# Altium PCB AMC_Box_Mainboard.PcbDoc (part 1 of 8) (continued)
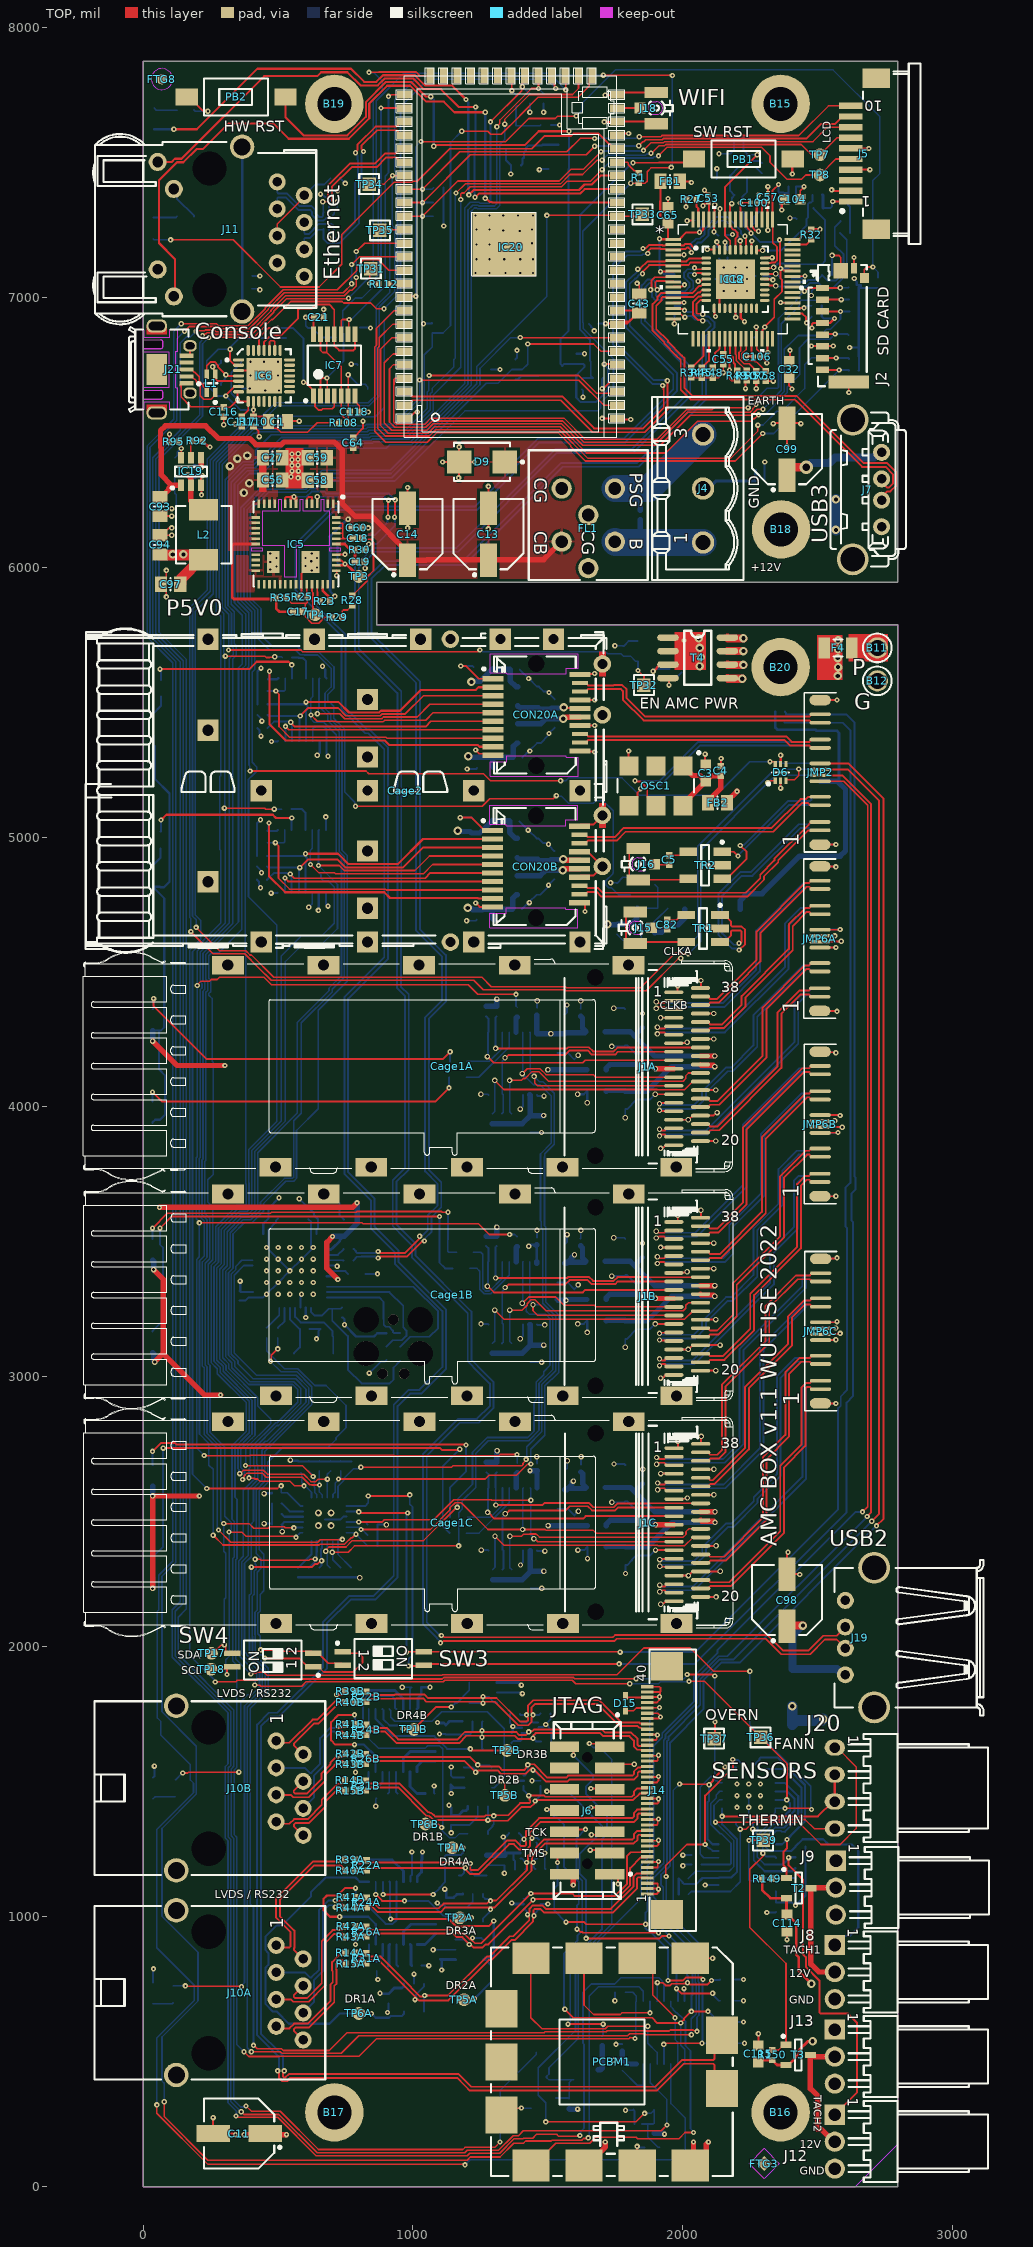
[diagram p0: TOP view]
## Classes and differential pairs
channel class QSFP: U_QSFP0 U_QSFP1 U_QSFP2
net class QSFP: RX1A_N RX1A_P RX1B_N RX1B_P RX1C_N RX1C_P RX2A_N RX2A_P RX2B_N RX2B_P RX2C_N RX2C_P RX3A_N RX3A_P RX3B_N RX3B_P RX3C_N RX3C_P RX4A_N RX4A_P RX4B_N RX4B_P RX4C_N RX4C_P TX1A_N TX1A_P TX1B_N TX1B_P TX1C_N TX1C_P TX2A_N TX2A_P TX2B_N TX2B_P TX2C_N TX2C_P TX3A_N TX3A_P TX3B_N TX3B_P TX3C_N TX3C_P TX4A_N TX4A_P TX4B_N TX4B_P TX4C_N TX4C_P
component class U_QSFP2: C15C C16C C25C C33C C34C C35C C36C C37C C38C C39C C40C C41C Cage1C FB3C FB4C FB7C IC14C J1C JMP5C JMP6C LD6C LD7C R6C R7C R10C R12C R74C R80C R86C R87C
component class U_QSFP1: C15B C16B C25B C33B C34B C35B C36B C37B C38B C39B C40B C41B Cage1B FB3B FB4B FB7B IC14B J1B JMP5B JMP6B LD6B LD7B R6B R7B R10B R12B R74B R80B R86B R87B
component class U_QSFP0: C15A C16A C25A C33A C34A C35A C36A C37A C38A C39A C40A C41A Cage1A FB3A FB4A FB7A IC14A J1A JMP5A JMP6A LD6A LD7A R6A R7A R10A R12A R74A R80A R86A R87A
component class U_USB_UART: C1 C21 C116 C117 C118 D1 D10 D11 D21 IC6 IC7 J21 L1 R108 R110
component class U_USB_I2C_Bridge: C2 C10 C12 C28 C42 C44 C61 IC21 J17 LD4 LD5 Q2 R13 R72 R76 R78 R79 R85 R107
component class U_USB_Hub_AMCbox: C22 C23 C26 C31 C32 C53 C55 C57 C65 C66 C68 C78 C79 C80 C100 C101 C102 C103 C104 C105 C106 C107 C108 C109 C110 FB1 IC8 IC12 Q1 R27 R32 R34 R45 R48 R49 R50 R57 R58 R66 R67 R75 R77 R96 R97 R98 R99 R100 R101 R102 R103 R104
component class U_JTAG_AMC_Box: C81 C83 C98 C99 D12 D13 D14 D15 D16 D17 D18 D19 D20 F1 F2 IC17 J6 J7 J19 PCBM1 R68 R69 R70 R71 R88 T1
channel class IO: U_IO1 U_IO2
component class U_IO1: C6A C7A C8A C9A C67A C70A C71A C72A C88A D3A D4A IC2A IC4A IC10A IC11A IC13A J10A R14A R15A R16A R17A R18A R19A R20A R21A R22A R24A R26A R31A R39A R40A R41A R42A R43A R44A R81A R82A R83A R84A TP1A TP2A TP5A TP6A
component class U_LCD: J5 TP7 TP8
component class U_I2C_SW: C175 IC16 R184 R185 R186 R187 R188 R189 R190 R191 R194 R195 R196 R197 R198 R199 R200 R201 R202 R203 R204 R205 SW3
net class I2C: I2CA.SCL I2CA.SDA I2CB.SCL I2CB.SDA I2CC.SCL I2CC.SDA I2CD.SCL I2CD.SDA I2CE.SCL I2CE.SDA I2CF.SCL I2CF.SDA I2CG.SCL I2CG.SDA I2CH.SCL I2CH.SDA SCL SDA
component class U_IO2: C6B C7B C8B C9B C67B C70B C71B C72B C88B D3B D4B IC2B IC4B IC10B IC11B IC13B J10B R14B R15B R16B R17B R18B R19B R20B R21B R22B R24B R26B R31B R39B R40B R41B R42B R43B R44B R81B R82B R83B R84B TP1B TP2B TP5B TP6B
component class U_CPU: C20 C24 C43 C54 C69 D5 D6 D7 IC15 IC20 J2 J11 J18 LD2 LD3 PB1 PB2 R1 R2 R3 R4 R5 R9 R11 R33 R46 R47 R55 R56 R59 R60 R61 R62 R63 R64 R65 R73 R112 R113 R114 R115 T7 T9 TP17 TP18 TP31 TP32 TP33 TP34 TP35 TP36 TP37 TP39
component class U_SFP1: C45A C46A C47A C48A C49A C50A C51A C52A CON20A FB5A FB6A IC3A LD1A R8A R51A R52A R89A R90A R91A R93A
component class U_clocking: C3 C4 C5 C82 FB2 J15 J16 J? OSC1 TR1 TR2
component class AMC_Box_Mainboard: B11 B12 B? Cage2 CON12 CON28 FTG3 FTG4 FTG6 FTG8 J14 JMP2 JMP4
net class SFP: RXA_N RXA_P RXB_N RXB_P SFP1_TX0_N SFP1_TX0_P SFP2_TX1_N SFP2_TX1_P
channel class SFP: U_SFP1 U_SFP2 U_SFP3 U_SFP4 U_SFP5 U_SFP6
component class U_SFP2: C45B C46B C47B C48B C49B C50B C51B C52B CON20B FB5B FB6B IC3B LD1B R8B R51B R52B R89B R90B R91B R93B
net class AMC_CTRL: EN_AMC_MP EN_AMC_PWR
net class POWER: 12VE AMC_MP AMC_PWR P3V3 P12V P12V_1 P12V_2 QSFP_VCC1A QSFP_VCC1B QSFP_VCC1C QSFP_VCCRXA QSFP_VCCRXB QSFP_VCCRXC QSFP_VCCTXA QSFP_VCCTXB QSFP_VCCTXC SFP_VCCRA SFP_VCCRB SFP_VCCTA SFP_VCCTB
component class U_Supply: B15 B16 B17 B18 B19 B20 C11 C13 C14 C17 C18 C19 C27 C29 C30 C56 C58 C59 C60 C63 C64 C73 C92 C93 C94 C97 D9 F3 F4 FL1 IC5 IC19 J4 L2 R23 R25 R28 R29 R30 R35 R36 R37 R53 R54 R92 R94 R95 R105 R109 R111 T4 T5 T6 T8 TP3 TP4
net class DE: BA4_CLK_N RX1A_N RX1A_P RX1B_N RX1B_P RX1C_N RX1C_P RX2A_N RX2A_P RX2B_N RX2B_P RX2C_N RX2C_P RX3A_N RX3A_P RX3B_N RX3B_P RX3C_N RX3C_P RX4A_N RX4A_P RX4B_N RX4B_P RX4C_N RX4C_P RXA_N RXA_P RXB_N RXB_P SFP1_TX0_N SFP1_TX0_P SFP2_TX1_N SFP2_TX1_P TX1A_N TX1A_P TX1B_N TX1B_P TX1C_N TX1C_P TX2A_N TX2A_P TX2B_N TX2B_P TX2C_N TX2C_P TX3A_N TX3A_P TX3B_N TX3B_P TX3C_N TX3C_P TX4A_N TX4A_P TX4B_N TX4B_P TX4C_N TX4C_P
component class Thermal_MGT: C111 C112 C113 C114 C115 IC1 IC9 J8 J9 J12 J13 J20 R38 R147 R148 R149 R150 R152 R153 R154 T2 T3
net class FAN: DXN DXP1 DXP2 FANN OVERN PWM1 PWM2 TACH1 TACH2 THERMN
net class SW[2..0]: SW0 SW1 SW2
differential pair D: +D_P -D_N
differential pair CLK0: +CLK0_P -CLK0_N
differential pair USB0: +USB0_P -USB0_N
differential pair TX4C: +TX4C_P -TX4C_N
differential pair TX4B: +TX4B_P -TX4B_N
differential pair TX4A: +TX4A_P -TX4A_N
differential pair TX3C: +TX3C_P -TX3C_N
differential pair TX3B: +TX3B_P -TX3B_N
differential pair TX3A: +TX3A_P -TX3A_N
differential pair TX2C: +TX2C_P -TX2C_N
differential pair TX2B: +TX2B_P -TX2B_N
differential pair TX2A: +TX2A_P -TX2A_N
differential pair TX1C: +TX1C_P -TX1C_N
differential pair TX1B: +TX1B_P -TX1B_N
differential pair TX1A: +TX1A_P -TX1A_N
differential pair RX4C: +RX4C_P -RX4C_N
differential pair RX4B: +RX4B_P -RX4B_N
differential pair RX4A: +RX4A_P -RX4A_N
differential pair RX3C: +RX3C_P -RX3C_N
differential pair RX3B: +RX3B_P -RX3B_N
differential pair RX3A: +RX3A_P -RX3A_N
differential pair RX2C: +RX2C_P -RX2C_N
differential pair RX2B: +RX2B_P -RX2B_N
differential pair RX2A: +RX2A_P -RX2A_N
differential pair RX1C: +RX1C_P -RX1C_N
differential pair RX1B: +RX1B_P -RX1B_N
differential pair RX1A: +RX1A_P -RX1A_N
differential pair USB3: +USB3_P -USB3_N
differential pair USB2: +USB2_P -USB2_N
differential pair USB1: +USB1_P -USB1_N
differential pair LVDS3CB: +LVDS3CB_P -LVDS3CB_N
differential pair LVDS3CA: +LVDS3CA_P -LVDS3CA_N
differential pair LVDS2CB: +LVDS2CB_P -LVDS2CB_N
differential pair LVDS2CA: +LVDS2CA_P -LVDS2CA_N
differential pair LVDS1CB: +LVDS1CB_P -LVDS1CB_N
differential pair LVDS1CA: +LVDS1CA_P -LVDS1CA_N
differential pair LVDS0CB: +LVDS0CB_P -LVDS0CB_N
differential pair LVDS0CA: +LVDS0CA_P -LVDS0CA_N
differential pair LVDS3A: +LVDS3A_P -LVDS3A_N
differential pair LVDS2A: +LVDS2A_P -LVDS2A_N
differential pair LVDS1A: +LVDS1A_P -LVDS1A_N
differential pair LVDS0A: +LVDS0A_P -LVDS0A_N
differential pair LVDS3: +LVDS3_P -LVDS3_N
differential pair LVDS2: +LVDS2_P -LVDS2_N
differential pair LVDS1: +LVDS1_P -LVDS1_N
differential pair LVDS0: +LVDS0_P -LVDS0_N
differential pair RXB: +RXB_P -RXB_N
differential pair RXA: +RXA_P -RXA_N
differential pair SMA_CLKB: +SMA_CLKB_P -SMA_CLKB_N
differential pair SMA_CLKA: +SMA_CLKA_P -SMA_CLKA_N
differential pair SFP2_TX1: +SFP2_TX1_P -SFP2_TX1_N
differential pair SFP1_TX0: +SFP1_TX0_P -SFP1_TX0_N
differential pair PHY_RD: +PHY_RD_P -PHY_RD_N
differential pair PHY_TD: +PHY_TD_P -PHY_TD_N

## Components (designator, comment, footprint, x,y, rotation, side; value= is the part's Value field where it differs from the comment)
B11 "Plated Hole" c200h150 2720.47,5700.79 r90 top
B12 "Plated Hole" c200h150 2720.47,5578.74 r90 top
B15 "Plated Hole" MTG320_550 2362.2,7716.54 r0 top locked
B16 "Plated Hole" MTG320_550 2362.2,275.59 r0 top
B17 "Plated Hole" MTG320_550 708.66,275.59 r0 top
B18 "Plated Hole" MTG320_550 2364.17,6139.76 r0 top locked
B19 "Plated Hole" MTG320_550 708.66,7716.54 r0 top locked
B20 "Plated Hole" MTG320_550 2362.2,5629.92 r0 top locked
C1 "10uF" CAPC2012X135N 500,6539.37 r180 top
C2 "1uF" CAPC1608X87N 792,3381 r0 bottom
C3 "1uF" CAPC1608X87N 2085.04,5237.2 r270 top
C4 "100nF" CAPC1005X55N 2140.16,5245.08 r270 top
C5 "100nF" CAPC1005X55N 1948.82,4915.35 r270 top
C6A "100nF" CAPC1005X55N 1339.76,1210.63 r90 bottom (schematic designator C6)
C6B "100nF" CAPC1005X55N 1370.08,1846.46 r90 bottom (schematic designator C6)
C7A "100nF" CAPC1005X55N 909.45,696.85 r90 bottom (schematic designator C7)
C7B "100nF" CAPC1005X55N 1141.73,1358.27 r90 bottom (schematic designator C7)
C8A "100nF" CAPC1005X55N 1102.36,860.24 r270 bottom (schematic designator C8)
C8B "100nF" CAPC1005X55N 1140.55,1505.91 r270 bottom (schematic designator C8)
C9A "100nF" CAPC1005X55N 1123.23,1053.15 r90 bottom (schematic designator C9)
C9B "100nF" CAPC1005X55N 1122.05,1692.91 r90 bottom (schematic designator C9)
C10 "1uF" CAPC1608X87N 744,3552 r270 bottom
C11 "100uF" CAPAE660X540N 356.3,196.85 r180 top
C12 "22pF" CAPC1005X55N 676,3178 r0 bottom
C13 "100uF" CAPAE660X540N 1279.53,6122.05 r90 top
C14 "100uF" CAPAE660X540N 980.32,6122.05 r90 top
C15A "100nF" CAPC0603X33N 1845.53,4184.81 r90 bottom (schematic designator C15)
C15B "100nF" CAPC0603X33N 1845.65,3334.1 r90 bottom (schematic designator C15)
C15C "100nF" CAPC0603X33N 1846.46,2496.06 r90 bottom (schematic designator C15)
C16A "10uF" CAPC2012X135N 1562.07,4306.85 r90 bottom (schematic designator C16)
C16B "10uF" CAPC2012X135N 1562.19,3456.14 r90 bottom (schematic designator C16)
C16C "10uF" CAPC2012X135N 1562.99,2618.11 r90 bottom (schematic designator C16)
C17 "1nF" CAPC1005X55N 574.8,5835.63 r180 top
C18 "100nF" CAPC1005X55N 795.28,6107.29 r180 top
C19 "12pF" CAPC1005X55N 803.15,6020.67 r180 top
C20 "100nF" CAPC1005X55N 712.6,7440.94 r180 bottom
C21 "100nF" CAPC1005X55N 651.57,6925.2 r180 top
C22 "100nF" CAPC0603X33N 2405.51,7381.89 r180 bottom
C23 "100nF" CAPC0603X33N 2405.51,7409.45 r180 bottom
C24 "1nF" CAPC1005X55N 385.83,7031.5 r0 bottom
C25A "1uF" CAPC1608X87N 1534.51,4169.06 r270 bottom (schematic designator C25)
C25B "1uF" CAPC1608X87N 1534.63,3318.35 r270 bottom (schematic designator C25)
C25C "1uF" CAPC1608X87N 1535.43,2480.32 r270 bottom (schematic designator C25)
C26 "22pF" CAPC1005X55N 2206.69,7594.49 r180 bottom
C27 "22uF" CAPC2012X145N 480.32,6405.51 r180 top
C28 "22pF" CAPC1005X55N 599.28,3177 r180 bottom
C29 "100nF" CAPC1005X55N 1755.91,4657.48 r90 bottom
C30 "100nF" CAPC1005X55N 1948.82,5606.3 r90 bottom
C31 "22pF" CAPC1005X55N 2208.66,7377.95 r180 bottom
C32 "10uF" CAPC1608X80N 2393.7,6732.28 r90 top
C33A "1uF" CAPC1608X87N 1436.08,3936.77 r90 bottom (schematic designator C33)
C33B "1uF" CAPC1608X87N 1436.2,3086.06 r90 bottom (schematic designator C33)
C33C "1uF" CAPC1608X87N 1437.01,2248.03 r90 bottom (schematic designator C33)
C34A "100nF" CAPC0603X33N 1621.12,4350.16 r90 bottom (schematic designator C34)
C34B "100nF" CAPC0603X33N 1621.24,3499.45 r90 bottom (schematic designator C34)
C34C "100nF" CAPC0603X33N 1622.05,2661.42 r90 bottom (schematic designator C34)
C35A "100nF" CAPC0603X33N 1597.5,4161.18 r90 bottom (schematic designator C35)
C35B "100nF" CAPC0603X33N 1597.62,3310.47 r90 bottom (schematic designator C35)
C35C "100nF" CAPC0603X33N 1598.43,2472.44 r90 bottom (schematic designator C35)
C36A "100nF" CAPC0603X33N 1459.71,4354.1 r90 bottom (schematic designator C36)
C36B "100nF" CAPC0603X33N 1459.82,3503.39 r90 bottom (schematic designator C36)
C36C "100nF" CAPC0603X33N 1460.63,2665.35 r90 bottom (schematic designator C36)
C37A "10uF" CAPC2012X135N 1786.48,4027.33 r270 bottom (schematic designator C37)
C37B "10uF" CAPC2012X135N 1786.59,3176.62 r270 bottom (schematic designator C37)
C37C "10uF" CAPC2012X135N 1787.4,2338.58 r270 bottom (schematic designator C37)
C38A "100nF" CAPC0603X33N 1845.53,4041.1 r270 bottom (schematic designator C38)
C38B "100nF" CAPC0603X33N 1845.65,3190.4 r270 bottom (schematic designator C38)
C38C "100nF" CAPC0603X33N 1846.46,2352.36 r270 bottom (schematic designator C38)
C39A "10uF" CAPC2012X135N 1786.48,4326.54 r90 bottom (schematic designator C39)
C39B "10uF" CAPC2012X135N 1786.59,3475.83 r90 bottom (schematic designator C39)
C39C "10uF" CAPC2012X135N 1787.4,2637.8 r90 bottom (schematic designator C39)
C40A "100nF" CAPC0603X33N 1849.47,4306.85 r90 bottom (schematic designator C40)
C40B "100nF" CAPC0603X33N 1849.59,3456.14 r90 bottom (schematic designator C40)
C40C "100nF" CAPC0603X33N 1850.39,2618.11 r90 bottom (schematic designator C40)
C41A "10uF" CAPC2012X135N 1786.48,4192.68 r90 bottom (schematic designator C41)
C41B "10uF" CAPC2012X135N 1786.59,3341.97 r90 bottom (schematic designator C41)
C41C "10uF" CAPC2012X135N 1787.4,2503.94 r90 bottom (schematic designator C41)
C42 "100nF" CAPC1005X55N 358,3301 r90 bottom
C43 "10uF" CAPC2012X135N 1838.58,6976.38 r90 top
C44 "100nF" CAPC1005X55N 483,3588 r180 bottom
C45A "10uF" CAPC2012X135N 1466.54,5383.86 r270 bottom (schematic designator C45)
C45B "10uF" CAPC2012X135N 1464.76,4821.89 r270 bottom (schematic designator C45)
C46A "100nF" CAPC1005X55N 1525.59,5423.23 r270 bottom (schematic designator C46)
C46B "100nF" CAPC1005X55N 1523.82,4861.26 r270 bottom (schematic designator C46)
C47A "10uF" CAPC2012X135N 1259.84,5629.92 r180 bottom (schematic designator C47)
C47B "10uF" CAPC2012X135N 1258.07,5067.95 r180 bottom (schematic designator C47)
C48A "1uF" CAPC1608X87N 1269.68,5255.91 r0 bottom (schematic designator C48)
C48B "1uF" CAPC1608X87N 1267.91,4693.94 r0 bottom (schematic designator C48)
C49A "100nF" CAPC1005X55N 1387.8,5295.28 r0 bottom (schematic designator C49)
C49B "100nF" CAPC1005X55N 1386.02,4733.31 r0 bottom (schematic designator C49)
C50A "100nF" CAPC1005X55N 1377.95,5620.08 r0 bottom (schematic designator C50)
C50B "100nF" CAPC1005X55N 1376.18,5058.11 r0 bottom (schematic designator C50)
C51A "10uF" CAPC2012X135N 1466.54,5521.65 r90 bottom (schematic designator C51)
C51B "10uF" CAPC2012X135N 1464.76,4959.68 r90 bottom (schematic designator C51)
C52A "100nF" CAPC1005X55N 1525.59,5492.13 r90 bottom (schematic designator C52)
C52B "100nF" CAPC1005X55N 1523.82,4930.16 r90 bottom (schematic designator C52)
C53 "100nF" CAPC0603X33N 2094.49,7366.14 r270 top
C54 "100nF" CAPC1005X55N 692.91,7374.02 r270 bottom
C55 "1uF" CAPC1005X55N 2150,6770 r90 top
C56 "22uF" CAPC2012X145N 480.31,6322.83 r180 top
C57 "100nF" CAPC0603X33N 2314.96,7370.08 r270 top
C58 "22uF" CAPC2012X145N 645.67,6321.85 r0 top
C59 "22uF" CAPC2012X145N 645.67,6405.51 r0 top
C60 "100nF" CAPC1005X55N 791.34,6146.66 r180 top
C61 "100nF" CAPC1005X55N 630,3585 r0 bottom
C63 "100nF" CAPC1005X55N 1842.52,6192.91 r270 bottom
C64 "100nF" CAPC1005X55N 779.53,6460.63 r270 top
C65 "10uF" CAPC1608X80N 1944.88,7303.15 r270 top
C66 "100nF" CAPC0603X33N 2056.68,7283.43 r0 bottom
C67A "100nF" CAPC1005X55N 1013.78,1210.63 r0 bottom (schematic designator C67)
C67B "100nF" CAPC1005X55N 1012.6,1850.39 r0 bottom (schematic designator C67)
C68 "100nF" CAPC0603X33N 1968.54,6953.16 r90 bottom
C69 "100nF" CAPC1005X55N 1669.29,6901.57 r0 bottom
C70A "100nF" CAPC1005X55N 1083.86,954.72 r270 bottom (schematic designator C70)
C70B "100nF" CAPC1005X55N 1082.68,1594.49 r270 bottom (schematic designator C70)
C71A "100nF" CAPC1005X55N 926.38,816.93 r0 bottom (schematic designator C71)
C71B "100nF" CAPC1005X55N 925.2,1456.69 r0 bottom (schematic designator C71)
C72A "100nF" CAPC1005X55N 1013.78,818.9 r0 bottom (schematic designator C72)
C72B "100nF" CAPC1005X55N 1062.99,1456.69 r0 bottom (schematic designator C72)
C73 "1nF" CAPC1005X55N 2287.4,6318.9 r180 bottom
C78 "100nF" CAPC0603X33N 2401.54,7082.27 r90 bottom
C79 "10uF" CAPC1608X80N 2124.02,7407.48 r270 bottom
C80 "100nF" CAPC0603X33N 2145.67,7228.35 r180 bottom
C81 "100nF" CAPC0603X33N 1775.59,515.75 r270 bottom
C82 "100nF" CAPC1005X55N 1941.54,4675.98 r270 top
C83 "100nF" CAPC0603X33N 1834.65,232.28 r0 bottom
C88A "100nF" CAPC1005X55N 866.14,816.93 r270 bottom (schematic designator C88)
C88B "100nF" CAPC1005X55N 864.96,1456.69 r270 bottom (schematic designator C88)
C92 "100nF" CAPC1005X55N 191.34,6354.33 r270 bottom
C93 "22uF" CAPC2012X145N 62.99,6224.41 r90 top
C94 "22uF" CAPC2012X145N 62.99,6082.68 r270 top
C97 "22uF" CAPC2012X145N 102.36,5937.01 r0 top
C98 "100uF" CAPAE660X540N 2385.83,2173.23 r90 top
C99 "100uF" CAPAE660X540N 2385.83,6437.01 r90 top
C100 "100nF" CAPC0603X33N 2263.78,7350.39 r0 top
C101 "100nF" CAPC0603X33N 2283.46,7078.74 r0 bottom
C102 "100nF" CAPC0603X33N 2196.85,6984.25 r270 bottom
C103 "100nF" CAPC0603X33N 2165.35,7161.42 r90 bottom
C104 "10uF" CAPC1608X80N 2405.51,7362.2 r180 top
C105 "100nF" CAPC0603X33N 2106.3,7066.93 r180 bottom
C106 "100nF" CAPC0603X33N 2275.59,6779.53 r180 top
C107 "100nF" CAPC0603X33N 1968.54,7071.27 r90 bottom
C108 "10uF" CAPC1608X80N 2251.97,7314.96 r180 bottom
C109 "100nF" CAPC0603X33N 2279.12,6850.43 r0 bottom
C110 "100nF" CAPC0603X33N 2239.75,7263.93 r180 bottom
C111 "1nF" CAPC1005X55N 2002.68,1082.89 r0 bottom
C112 "1nF" CAPC1005X55N 2002.68,1141.94 r0 bottom
C113 "100nF" CAPC1005X55N 2345.2,1035.64 r90 bottom
C114 "1uF" CAPC1608X87N 2385.83,976.38 r90 top
C115 "1uF" CAPC1608X87N 2279.53,492.13 r270 top
C116 "100nF" CAPC1005X55N 299.21,6574.8 r270 top
C117 "1uF" CAPC1005X55N 366.14,6539.37 r90 top
C118 "1uF" CAPC1005X55N 783.46,6574.8 r0 top
C175 "100nF" CAPC1005X55N 496.06,2452.76 r0 bottom
Cage1A "QSFP" TYCO_2170703-7 1144.9,4151.54 r0 top locked (schematic designator Cage1)
Cage1B "QSFP" TYCO_2170703-7 1145.79,3303.58 r0 top locked (schematic designator Cage1)
Cage1C "QSFP" TYCO_2170703-7 1145.87,2460.63 r0 top locked (schematic designator Cage1)
Cage2 "SFP+" TYCO_2007263-1 1457.68,5172.05 r0 top
CON20A "1888247-1" TYCO_1888247-1 1457.68,5452.76 r0 top (schematic designator CON20)
CON20B "1888247-1" TYCO_1888247-1 1455.91,4890.79 r0 top (schematic designator CON20)
D1 "BAT54" SOT95P240X130-3N 574.8,6885.83 r0 bottom
D3A "" SOTFL50P160X60-6N 1428.74,1236.22 r180 bottom (schematic designator D3)
D3B "" SOTFL50P160X60-6N 1433.07,1700.79 r180 bottom (schematic designator D3)
D4A "" SOTFL50P160X60-6N 1440.94,1047.24 r180 bottom (schematic designator D4)
D4B "" SOTFL50P160X60-6N 1440.94,1503.94 r180 bottom (schematic designator D4)
D5 "BAT54" SOT95P240X130-3N 1507.87,6708.66 r180 bottom
D6 "NUP4114UPXV6T1G" SOTFL50P160X60-6N 2362.2,5239.76 r90 top
D7 "NUP4114UPXV6T1G" SOTFL50P160X60-6N 688.98,7283.46 r90 bottom
D9 "SMBJ12A" DIOM5336X265N 1255.91,6389.76 r180 top
D10 "BAT54" SOT95P240X130-3N 795.28,6704.72 r90 bottom
D11 "PRTR5V0U2X" SOT190P230X110-4N 326.77,6720.47 r90 bottom
D12 "BAT54" SOT95P240X130-3N 1641.73,433.07 r0 bottom
D13 "BAT54" SOT95P240X130-3N 1456.69,452.76 r90 bottom
D14 "BAT54" SOT95P240X130-3N 1484.25,291.34 r180 bottom
D15 "PESD3V3S1UB" SODFL1608X65N 1787.4,1791.34 r90 top
D16 "PESD3V3S1UB" SODFL1608X65N 2165.35,531.5 r0 bottom
D17 "PESD3V3S1UB" SODFL1608X65N 2165.35,688.98 r0 bottom
D18 "PESD3V3S1UB" SODFL1608X65N 2165.35,767.72 r0 bottom
D19 "PESD3V3S1UB" SODFL1608X65N 2165.35,610.24 r0 bottom
D20 "PESD3V3S1UB" SODFL1608X65N 1885.83,145.67 r180 bottom
D21 "BAT54" SOT95P240X130-3N 759.84,6850.39 r180 bottom
F1 "2A-12V" FUSR_LITTELFUSE_1812L200 2405.51,1814.96 r90 bottom
F2 "2A-12V" FUSR_LITTELFUSE_1812L200 2562.99,6303.15 r90 bottom
F3 "2A-12V" FUSR_LITTELFUSE_1812L200 2110.24,4732.28 r0 bottom
F4 "10A-32VAC" FUSE_SCHURTER_UST1206 2574.8,5700.79 r0 top
FB1 "220R@100MHz" INDC2012X105N 1952.76,7429.13 r180 top
FB2 "220R@100MHz" INDC2012X105N 2128.35,5126.97 r180 top
FB3A "220R@100MHz" INDC2012X105N 1680.18,4137.56 r0 bottom (schematic designator FB3)
FB3B "220R@100MHz" INDC2012X105N 1680.3,3286.85 r0 bottom (schematic designator FB3)
FB3C "220R@100MHz" INDC2012X105N 1681.1,2448.82 r0 bottom (schematic designator FB3)
FB4A "220R@100MHz" INDC2012X105N 1680.18,4058.82 r0 bottom (schematic designator FB4)
FB4B "220R@100MHz" INDC2012X105N 1680.3,3208.11 r0 bottom (schematic designator FB4)
FB4C "220R@100MHz" INDC2012X105N 1681.1,2370.08 r0 bottom (schematic designator FB4)
FB5A "220R@100MHz" INDC2012X105N 1387.8,5383.86 r90 bottom (schematic designator FB5)
FB5B "220R@100MHz" INDC2012X105N 1386.02,4821.89 r90 bottom (schematic designator FB5)
FB6A "220R@100MHz" INDC2012X105N 1387.8,5521.65 r270 bottom (schematic designator FB6)
FB6B "220R@100MHz" INDC2012X105N 1386.02,4959.68 r270 bottom (schematic designator FB6)
FB7A "220R@100MHz" INDC2012X105N 1676.24,4279.29 r0 bottom (schematic designator FB7)
FB7B "220R@100MHz" INDC2012X105N 1676.36,3428.58 r0 bottom (schematic designator FB7)
FB7C "220R@100MHz" INDC2012X105N 1677.17,2590.55 r0 bottom (schematic designator FB7)
FL1 "15A/25VDC" FIL_MURATA_BNX016 1649.61,6192.91 r270 top
FTG3 "Use only in PCB" FIDUCIAL_TOP_S100-200 2302,86 r90 top
FTG4 "Use only in PCB" FIDUCIAL_TOP_C100-200 70,7808 r90 bottom
FTG6 "Use only in PCB" FIDUCIAL_TOP_S100-200 2304,86 r90 bottom
FTG8 "Use only in PCB" FIDUCIAL_TOP_C100-200 70,7808 r90 top
IC1 "MAX6639AEE+" SOP63P600X175-16N 2238.9,1181.31 r180 bottom
IC2A "SN65LVDS2DBVR" SOT95P280X145-5N 1221.65,1190.94 r180 bottom (schematic designator IC2)
IC2B "SN65LVDS2DBVR" SOT95P280X145-5N 1259.84,1830.71 r180 bottom (schematic designator IC2)
IC3A "PCA9534PW" SOP65P640X110-16N 590.55,5472.44 r90 bottom (schematic designator IC3)
IC3B "PCA9534PW" SOP65P640X110-16N 588.78,4910.47 r90 bottom (schematic designator IC3)
IC4A "SN65LVDS2DBVR" SOT95P280X145-5N 1221.65,1033.46 r270 bottom (schematic designator IC4)
IC4B "SN65LVDS2DBVR" SOT95P280X145-5N 1220.47,1673.23 r270 bottom (schematic designator IC4)
IC5 "MIC45116-1YMP" MICROCHIP_H3QFN88-52LD-PL-3 566.93,6085.63 r270 top
IC6 "CP2102-GM" QFN50P500X500X100-29N-S335 448.82,6708.66 r0 top
IC7 "74HC4066PW" SOP65P640X110-14N 708.66,6748.03 r90 top
IC8 "USB2514B-AEZC" MCHP-QFN-36_V 2194.88,7066.93 r0 top
IC9 "MAX6639ATE" MAXM-T1655-3_N 2244.09,1448.82 r180 bottom
IC10A "MAX3232CPW" SOP65P640X120-16N 926.38,1013.78 r90 bottom (schematic designator IC10)
IC10B "MAX3232CPW" SOP65P640X120-16N 925.2,1653.54 r90 bottom (schematic designator IC10)
IC11A "SN65LVDS1DBVT" SOT95P280X145-5N 1208.66,877.95 r0 bottom (schematic designator IC11)
IC11B "SN65LVDS1DBVT" SOT95P280X145-5N 1240.16,1515.75 r0 bottom (schematic designator IC11)
IC12 "USB2504A-JT" TQFP64_10x10MC_MCH 2185.04,7066.93 r0 top
IC13A "SN65LVDS1DBVT" SOT95P280X145-5N 1003.94,700.79 r270 bottom (schematic designator IC13)
IC13B "SN65LVDS1DBVT" SOT95P280X145-5N 1240.16,1358.27 r270 bottom (schematic designator IC13)
IC14A "PCA9534PW" SOP65P640X110-16N 1369.15,4161.18 r90 bottom (schematic designator IC14)
IC14B "PCA9534PW" SOP65P640X110-16N 1369.27,3310.47 r90 bottom (schematic designator IC14)
IC14C "PCA9534PW" SOP65P640X110-16N 1370.08,2472.44 r90 bottom (schematic designator IC14)
IC15 "STM809SWX6F" SOT95P237X112-3N 1334.65,6732.28 r180 bottom
IC16 "MAX7357ETG+" HVQFN24 673.23,2472.44 r270 bottom
IC17 "SN74CB3T3257PW" SOP65P640X120-16N 1917.32,570.87 r270 bottom
IC19 "AP62201WU-7" SOT95P285X110-6N 177.56,6354.33 r90 top
IC20 "ONION OMEGA2S" OMEGA2S_PADS 1318.5,7070.39 r90 top
IC21 "ATmega32U4-MU" 44PW_M 544,3393 r180 bottom
J1A "zQSFP+" TYCO_1551920-2 2015.81,4149.37 r0 top (schematic designator J1)
J1B "zQSFP+" TYCO_1551920-2 2015.93,3298.66 r0 top (schematic designator J1)
J1C "zQSFP+" TYCO_1551920-2 2016.73,2460.63 r0 top (schematic designator J1)
J2 "microSD" MOLEX_47309-2651 2517,6882.65 r90 top locked
J4 "" PHOENIX_1755749 2074.8,6291.34 r90 top
J5 "FFC" "WURTH_686 110 144 22" 2622.05,7531.5 r90 top locked
J6 "Milli-Grid™" MOLEX_87832-1420 1645.67,1393.7 r90 top
J7 "USB 2.0" TYCO_1734366-1 2736.22,6287.4 r270 top
J8 "KK®" MOLEX_22-05-7038 2562.99,795.28 r270 top
J9 "KK®" MOLEX_22-05-7038 2566.93,1107.87 r270 top
J10A "RJ45" FCI_95678-001LF 543.31,718.9 r90 top locked (schematic designator J10)
J10B "RJ45" FCI_95678-001LF 543.31,1476.77 r90 top locked (schematic designator J10)
J11 "RJ45" TYCO_5-6605308-1 547.24,7251.97 r270 top locked
J12 "KK®" MOLEX_22-05-7038 2562.99,166.93 r270 top
J13 "KK®" MOLEX_22-05-7038 2562.99,481.89 r270 top
J14 "68714014022" 68714014022 1948.82,1468.5 r90 top
J15 "U.FL" HIROSE_U.FL-R-SMT-1(10) 1823.43,4664.17 r90 top
J16 "U.FL" HIROSE_U.FL-R-SMT-1(10) 1834.65,4899.61 r90 top
J17 "TC2030-NL" TC2030-IDC 927,3212 r270 bottom
J18 "U.FL" HIROSE_U.FL-R-SMT-1(10) 1901.57,7700.79 r270 top
J19 "USB 2.0" TYCO_292303-1 2601.97,2034.25 r90 top
J20 "0022057048" CON_0022057048 2562.8,1526.77 r270 top
J21 "Micro-USB AB 2.0" HIROSE_ZX62RD-AB-5P8(30) 161.42,6732.28 r270 top
JMP2 "DNP" 3M_Twinax_SL8801/12-10DA5-00 2508.31,5239.76 r90 top
JMP4 "DNP" 3M_Twinax_SL8801/12-10DA5-00 2507.44,5239.76 r270 bottom
JMP5A "DNP" 3M_Twinax_SL8801/12-10DA5-00 2508.31,4623.62 r270 bottom (schematic designator JMP5)
JMP5B "DNP" 3M_Twinax_SL8801/12-10DA5-00 2507.44,3937.01 r270 bottom (schematic designator JMP5)
JMP5C "DNP" 3M_Twinax_SL8801/12-10DA5-00 2509.23,3169.53 r270 bottom (schematic designator JMP5)
JMP6A "DNP" 3M_Twinax_SL8801/12-10DA5-00 2507.44,4623.62 r90 top (schematic designator JMP6)
JMP6B "DNP" 3M_Twinax_SL8801/12-10DA5-00 2508.31,3937.01 r90 top (schematic designator JMP6)
JMP6C "DNP" 3M_Twinax_SL8801/12-10DA5-00 2510.1,3169.53 r90 top (schematic designator JMP6)
L1 "90R@100MHz" IND_MURATA_DLW21S 251.97,6681.1 r90 top
L2 "4.7uH" INDM5552X200N 224.41,6120.08 r270 top
LD1A "LED_AVAGO_HSME-C120" LED_AVAGO_HSME-C120 39.37,5417.32 r270 bottom locked (schematic designator LD1)
LD1B "LED_AVAGO_HSME-C120" LED_AVAGO_HSME-C120 37.6,4855.35 r270 bottom locked (schematic designator LD1)
LD2 "LED_AVAGO_HSME-C120" LED_AVAGO_HSME-C120 41.34,7661.42 r270 bottom
LD3 "LED_AVAGO_HSME-C120" LED_AVAGO_HSME-C120 37.4,7255.91 r270 bottom
LD4 "LED_AVAGO_HSME-C120" LED_AVAGO_HSME-C120 37,717 r270 bottom
LD5 "LED_AVAGO_HSME-C120" LED_AVAGO_HSME-C120 37,1476 r270 bottom
LD6A "LED_AVAGO_HSME-C120" LED_AVAGO_HSME-C120 35.43,4322.83 r270 bottom (schematic designator LD6)
LD6B "LED_AVAGO_HSME-C120" LED_AVAGO_HSME-C120 35.55,3472.13 r270 bottom (schematic designator LD6)
LD6C "LED_AVAGO_HSME-C120" LED_AVAGO_HSME-C120 36.36,2634.09 r270 bottom (schematic designator LD6)
LD7A "Red" LED_AVAGO_HSME-C120rev 35.43,3980.32 r90 bottom (schematic designator LD7)
LD7B "Red" LED_AVAGO_HSME-C120rev 35.55,3129.61 r90 bottom (schematic designator LD7)
LD7C "Red" LED_AVAGO_HSME-C120rev 36.36,2291.57 r90 bottom (schematic designator LD7)
OSC1 "100MHz" OSC_CRYSTEK_CCLD-033 1900,5189.96 r270 top
PB1 "Push Button" PB_TYCO_FSMSM 2224.41,7511.81 r0 top
PB2 "Push Button" PB_TYCO_FSMSM 344.62,7741.82 r180 top
PCBM1 "JTAG-SMT2-NC" PCBM_DIGILENT_JTAG-SMT2-NC 2027.56,846.46 r180 top
Q1 "24MHz" XTAL_PERICOM_FL 2206.69,7488.19 r180 bottom
Q2 "8MHz" XTAL_TXC_7A 632,3087 r180 bottom
R1 "0" RESC1005X40N#1 1836,7442 r270 top
R2 "10k" RESC1005X40N#1 2633,7037 r180 bottom
R3 "10k" RESC1005X40N#1 2634,6991 r180 bottom
R4 "10k" RESC1005X40N#1 2635,6947 r180 bottom
R5 "10k" RESC1005X40N#1 2633,6859 r180 bottom
R6A "10k" RESC1005X40N#1 1310.1,4354.1 r90 bottom (schematic designator R6)
R6B "10k" RESC1005X40N#1 1310.22,3503.39 r90 bottom (schematic designator R6)
R6C "10k" RESC1005X40N#1 1311.02,2665.35 r90 bottom (schematic designator R6)
R7A "330" RESC1608X55N 1165.35,4110.24 r180 bottom (schematic designator R7)
R7B "330" RESC1608X55N 1179,3402 r180 bottom (schematic designator R7)
R7C "330" RESC1608X55N 1166.28,2421.49 r180 bottom (schematic designator R7)
R8A "0" RESC1005X40N#1 534.25,5665.35 r0 bottom (schematic designator R8)
R8B "0" RESC1005X40N#1 532.48,5103.39 r0 bottom (schematic designator R8)
R9 "10k" RESC1005X40N#1 1070.87,6885.83 r270 bottom
R10A "0" RESC1005X40N#1 1385.83,4351.57 r270 bottom (schematic designator R10)
R10B "0" RESC1005X40N#1 1385.94,3500.87 r270 bottom (schematic designator R10)
R10C "0" RESC1005X40N#1 1386.75,2662.83 r270 bottom (schematic designator R10)
R11 "10k" RESC1005X40N#1 1606.3,6771.65 r270 bottom
R12A "10k" RESC1005X40N#1 1365.22,3956.46 r270 bottom (schematic designator R12)
R12B "10k" RESC1005X40N#1 1365.33,3105.75 r270 bottom (schematic designator R12)
R12C "10k" RESC1005X40N#1 1366.14,2267.72 r270 bottom (schematic designator R12)
R13 "22" RESC1005X40N#1 762,3474 r180 bottom
R14A "0" RESC1005X40N#1 767.72,866.14 r0 top (schematic designator R14)
R14B "0" RESC1005X40N#1 766.54,1505.91 r0 top (schematic designator R14)
R15A "0" RESC1005X40N#1 768.9,826.77 r0 top (schematic designator R15)
R15B "0" RESC1005X40N#1 767.72,1466.54 r0 top (schematic designator R15)
R16A "0" RESC1005X40N#1 767.72,1210.63 r0 bottom (schematic designator R16)
R16B "0" RESC1005X40N#1 767.72,1838.58 r0 bottom (schematic designator R16)
R17A "0" RESC1005X40N#1 768.9,1072.83 r0 bottom (schematic designator R17)
R17B "0" RESC1005X40N#1 767.72,1712.6 r0 bottom (schematic designator R17)
R18A "0" RESC1005X40N#1 768.9,964.57 r0 bottom (schematic designator R18)
R18B "0" RESC1005X40N#1 767.72,1604.33 r0 bottom (schematic designator R18)
R19A "0" RESC1005X40N#1 768.9,925.2 r0 bottom (schematic designator R19)
R19B "0" RESC1005X40N#1 767.72,1564.96 r0 bottom (schematic designator R19)
R20A "0" RESC1005X40N#1 768.9,1033.46 r0 bottom (schematic designator R20)
R20B "0" RESC1005X40N#1 767.72,1673.23 r0 bottom (schematic designator R20)
R21A "0" RESC1005X40N#1 768.9,826.77 r0 bottom (schematic designator R21)
R21B "0" RESC1005X40N#1 767.72,1466.54 r0 bottom (schematic designator R21)
R22A "100" RESC1005X40N#1 827.95,1190.94 r90 top (schematic designator R22)
R22B "100" RESC1005X40N#1 826.77,1814.96 r90 top (schematic designator R22)
R23 "10k" RESC1005X40N#1 674,5873 r0 top
R24A "100" RESC1005X40N#1 827.95,1053.15 r90 top (schematic designator R24)
R24B "100" RESC1005X40N#1 826.77,1692.91 r90 top (schematic designator R24)
R25 "2k4" RESC1005X40N#1 590.55,5890.75 r0 top
R26A "100" RESC1005X40N#1 826.77,944.88 r90 top (schematic designator R26)
R26B "100" RESC1005X40N#1 825.59,1584.65 r90 top (schematic designator R26)
R27 "12k" RESC1005X40N#1 2031.5,7362.2 r180 top
R28 "10k" RESC1005X40N#1 775.59,5876.77 r90 top
R29 "10k" RESC1005X40N#1 719,5815 r0 top
R30 "1k6" RESC1005X40N#1 803.15,6063.98 r0 top
R31A "100" RESC1005X40N#1 826.77,846.46 r90 top (schematic designator R31)
R31B "100" RESC1005X40N#1 825.59,1486.22 r90 top (schematic designator R31)
R32 "0" RESC1005X40N#1 2476.38,7232.28 r270 top
R33 "10k" RESC1005X40N#1 386.25,7078.69 r0 bottom
R34 "49R9" RESC1005X40N#1 2031.5,6720.47 r270 top
R35 "7k5" RESC1005X40N#1 511.81,5886.81 r180 top
R36 "10k" RESC1005X40N#1 1925.2,4736.22 r180 bottom
R37 "10k" RESC1005X40N#1 1996.06,5628.74 r90 bottom
R38 "49R9" RESC1005X40N#1 2049.93,1193.13 r180 bottom
R39A "0" RESC1005X40N#1 767.72,1210.63 r0 top (schematic designator R39)
R39B "0" RESC1005X40N#1 767.72,1834.65 r0 top (schematic designator R39)
R40A "0" RESC1005X40N#1 767.72,1171.26 r0 top (schematic designator R40)
R40B "0" RESC1005X40N#1 767.72,1795.28 r0 top (schematic designator R40)
R41A "0" RESC1005X40N#1 768.9,1072.83 r0 top (schematic designator R41)
R41B "0" RESC1005X40N#1 767.72,1712.6 r0 top (schematic designator R41)
R42A "0" RESC1005X40N#1 768.9,964.57 r0 top (schematic designator R42)
R42B "0" RESC1005X40N#1 767.72,1604.33 r0 top (schematic designator R42)
R43A "0" RESC1005X40N#1 768.9,925.2 r0 top (schematic designator R43)
R43B "0" RESC1005X40N#1 767.72,1564.96 r0 top (schematic designator R43)
R44A "0" RESC1005X40N#1 768.9,1033.46 r0 top (schematic designator R44)
R44B "0" RESC1005X40N#1 767.72,1673.23 r0 top (schematic designator R44)
R45 "49R9" RESC1005X40N#1 2070,6720 r270 top
R46 "2k" RESC1005X40N#1 1381.89,7488.19 r0 bottom
R47 "10k" RESC1005X40N#1 1492.13,7637.8 r0 bottom
R48 "49R9" RESC1005X40N#1 2110,6720 r270 top
R49 "49R9" RESC1005X40N#1 2200.79,6709.84 r270 top
R50 "49R9" RESC1005X40N#1 2236.22,6709.84 r270 top
R51A "10k" RESC1005X40N#1 443.9,5584.65 r180 bottom (schematic designator R51)
R51B "10k" RESC1005X40N#1 442.13,5022.68 r180 bottom (schematic designator R51)
R52A "10k" RESC1005X40N#1 442.91,5452.76 r0 bottom (schematic designator R52)
R52B "10k" RESC1005X40N#1 441.14,4890.79 r0 bottom (schematic designator R52)
R53 "10k" RESC1005X40N#1 1849.21,4736.22 r180 bottom
R54 "10k" RESC1005X40N#1 1755.91,4811.02 r270 bottom
R55 "49R9" RESC1005X40N#1 1385.83,7728.35 r270 bottom
R56 "330" RESC1608X55N 157.48,7692.91 r0 bottom
R57 "49R9" RESC1005X40N#1 2271.65,6708.66 r270 top
R58 "49R9" RESC1005X40N#1 2307.09,6708.66 r270 top
R59 "2k" RESC1005X40N#1 1484.25,7736.22 r270 bottom
R60 "2k" RESC1005X40N#1 1433.07,7735.04 r270 bottom
R61 "330" RESC1608X55N 157.48,7299.21 r0 bottom
R62 "2k" RESC1005X40N#1 1685.04,6700.79 r0 bottom
R63 "10k" RESC1005X40N#1 1094.49,7405.51 r180 bottom
R64 "10k" RESC1005X40N#1 1093.31,7350.39 r180 bottom
R65 "10k" RESC1005X40N#1 1093.31,7299.21 r180 bottom
R66 "10k" RESC1005X40N#1 2496.06,6968.5 r180 bottom
R67 "10k" RESC1005X40N#1 2496.06,6929.13 r180 bottom
R68 "10k" RESC1005X40N#1 1775.59,448.82 r90 bottom
R69 "1M" RESC1005X40N#1 1767.72,720.47 r0 bottom
R70 "10k" RESC1005X40N#1 1578.74,307.09 r270 bottom
R71 "0" RESC1005X40N#1 1700.79,540.55 r270 bottom
R72 "330" RESC1608X55N 112,713 r270 bottom
R73 "2k" RESC1005X40N#1 1625.98,6677.17 r90 bottom
R74A "10k" RESC1005X40N#1 1294.35,3956.46 r270 bottom (schematic designator R74)
R74B "10k" RESC1005X40N#1 1294.47,3105.75 r270 bottom (schematic designator R74)
R74C "10k" RESC1005X40N#1 1295.28,2267.72 r270 bottom (schematic designator R74)
R75 "5k1" RESC1005X40N#1 2603,7282 r0 bottom
R76 "330" RESC1608X55N 119,1476 r270 bottom
R77 "5k1" RESC1005X40N#1 2502,7330 r0 bottom
R78 "22" RESC1005X40N#1 761,3431 r180 bottom
R79 "10k" RESC1005X40N#1 738,3239 r270 bottom
R80A "10k" RESC1005X40N#1 1329.78,3956.46 r270 bottom (schematic designator R80)
R80B "10k" RESC1005X40N#1 1329.9,3105.75 r270 bottom (schematic designator R80)
R80C "10k" RESC1005X40N#1 1330.71,2267.72 r270 bottom (schematic designator R80)
R81A "1k" RESC1005X40N#1 1375,1310 r0 bottom (schematic designator R81)
R81B "1k" RESC1005X40N#1 1377.5,1751 r0 bottom (schematic designator R81)
R82A "1k" RESC1005X40N#1 1485.19,1285.65 r180 bottom (schematic designator R82)
R82B "1k" RESC1005X40N#1 1491,1753 r180 bottom (schematic designator R82)
R83A "1k" RESC1005X40N#1 1397,1176 r0 bottom (schematic designator R83)
R83B "1k" RESC1005X40N#1 1365,1662.5 r270 bottom (schematic designator R83)
R84A "1k" RESC1005X40N#1 1472.5,1177 r180 bottom (schematic designator R84)
R84B "1k" RESC1005X40N#1 1494,1650 r180 bottom (schematic designator R84)
R85 "0" RESC1005X40N#1 458,3163.5 r270 bottom
R86A "10k" RESC1005X40N#1 1270.73,4354.1 r90 bottom (schematic designator R86)
R86B "10k" RESC1005X40N#1 1270.85,3503.39 r90 bottom (schematic designator R86)
R86C "10k" RESC1005X40N#1 1271.65,2665.35 r90 bottom (schematic designator R86)
R87A "330" RESC1608X55N 1168.37,4169.06 r180 bottom (schematic designator R87)
R87B "330" RESC1608X55N 1193,3462 r180 bottom (schematic designator R87)
R87C "330" RESC1608X55N 1169.29,2480.32 r180 bottom (schematic designator R87)
R88 "10k" RESC1005X40N#1 1893.7,216.54 r270 bottom
R89A "10k" RESC1005X40N#1 442.91,5492.13 r180 bottom (schematic designator R89)
R89B "10k" RESC1005X40N#1 441.14,4930.16 r180 bottom (schematic designator R89)
R90A "10k" RESC1005X40N#1 442.91,5403.54 r180 bottom (schematic designator R90)
R90B "10k" RESC1005X40N#1 441.14,4841.57 r180 bottom (schematic designator R90)
R91A "10k" RESC1005X40N#1 442.91,5541.34 r180 bottom (schematic designator R91)
R91B "10k" RESC1005X40N#1 441.14,4979.37 r180 bottom (schematic designator R91)
R92 "49R9" RESC1005X40N#1 201.18,6468.5 r0 top
R93A "330" RESC1608X55N 66.93,5551.18 r270 bottom (schematic designator R93)
R93B "330" RESC1608X55N 65.16,4989.21 r270 bottom (schematic designator R93)
R94 "68k" RESC1005X40N#1 118.03,6386.3 r270 bottom
R95 "13k" RESC1005X40N#1 114.57,6464.57 r0 top
R96 "5k1" RESC1005X40N#1 2499,7379 r0 bottom
R97 "5k1" RESC1005X40N#1 2601,7238 r0 bottom
R98 "47k" RESC1005X40N#1 2534.25,7082.68 r0 bottom
R99 "47k" RESC1005X40N#1 2534.25,7122.05 r0 bottom
R100 "47k" RESC1005X40N#1 2440,7290 r180 bottom
R101 "47k" RESC1005X40N#1 2503.94,7031.5 r180 bottom
R102 "47k" RESC1005X40N#1 2354.33,7370.08 r270 bottom
R103 "12k" RESC1005X40N#1 2133.86,7161.42 r270 bottom
R104 "1M" RESC1005X40N#1 2293.31,7477.56 r90 bottom
R105 "10k" RESC1005X40N#1 2287.4,6358.27 r180 bottom
R107 "0" RESC1005X40N#1 499,3163 r270 bottom
R108 "10k" RESC1005X40N#1 744.09,6535.43 r0 top
R109 "10k" RESC1005X40N#1 1984.25,5692.91 r0 bottom
R110 "10k" RESC1005X40N#1 409.45,6539.37 r90 top
R111 "10k" RESC1005X40N#1 1779.53,5688.98 r270 bottom
R112 "0" RESC1005X40N#1 891,7048 r0 top
R113 "10k" RESC1005X40N#1 2634.5,6772 r180 bottom
R114 "10k" RESC1005X40N#1 2633,6729 r180 bottom
R115 "10k" RESC1005X40N#1 2723,7053 r90 bottom
R147 "10k" RESC1005X40N#1 2435.75,1260.05 r0 bottom
R148 "10k" RESC1005X40N#1 2435.75,1220.68 r0 bottom
R149 "10k" RESC1005X40N#1 2312.2,1141.73 r180 top
R150 "10k" RESC1005X40N#1 2330.71,488.19 r270 top
R152 "10k" RESC1005X40N#1 2435.75,1141.94 r180 bottom
R153 "10k" RESC1005X40N#1 2049.93,1228.56 r0 bottom
R154 "10k" RESC1005X40N#1 2435.75,1181.31 r180 bottom
R184 "2k" RESC1005X40N#2 574.8,2669.29 r90 bottom
R185 "2k" RESC1005X40N#2 614.17,2669.29 r90 bottom
R186 "2k" RESC1005X40N#2 653.54,2669.29 r90 bottom
R187 "2k" RESC1005X40N#2 694.88,2669.29 r90 bottom
R188 "2k" RESC1005X40N#2 732.28,2669.29 r90 bottom
R189 "2k" RESC1005X40N#2 771.65,2669.29 r90 bottom
R190 "2k" RESC1005X40N#2 2360.24,5464.57 r180 bottom
R191 "2k" RESC1005X40N#2 2358.27,5425.2 r180 bottom
R194 "0" RESC1005X40N#2 496.06,2492.13 r0 bottom
R195 "0" RESC1005X40N#2 496.06,2531.5 r0 bottom
R196 "0" RESC1005X40N#1 570.87,2275.59 r90 bottom
R197 "1M" RESC1005X40N#2 496.06,2570.87 r180 bottom
R198 "2k" RESC1005X40N#2 850.39,2452.76 r0 bottom
R199 "2k" RESC1005X40N#2 850.39,2413.39 r0 bottom
R200 "2k" RESC1005X40N#2 850.39,2374.02 r0 bottom
R201 "2k" RESC1005X40N#2 771.65,2275.59 r270 bottom
R202 "2k" RESC1005X40N#2 732.28,2275.59 r270 bottom
R203 "2k" RESC1005X40N#2 692.91,2275.59 r270 bottom
R204 "2k" RESC1005X40N#2 653.54,2275.59 r270 bottom
R205 "2k" RESC1005X40N#2 614.17,2275.59 r270 bottom
SW3 "Switch" SW_TYCO_1571983-1 889.76,1956.69 r0 top
SW4 "Switch" SW_TYCO_1571983-1 480.32,1951.38 r180 top
T1 "BSS138LT1G" SOT95P240X110-3N 1854.33,330.71 r90 bottom
T2 "IRLML6402PBF" SOT95P237X112-3N 2429.13,1106.3 r0 top
T3 "IRLML6402PBF" SOT95P237X112-3N 2427.17,488.19 r0 top
T4 "IRF9310PbF" SO-8 1944.88,5738.98 r0 top
T5 "BSS138LT1G" SOT95P240X110-3N 1877.95,5688.98 r0 bottom
T6 "IRLML6402PBF" SOT95P237X112-3N 1850.39,4645.67 r0 bottom
T7 "IRLML6402PBF" SOT95P237X112-3N 1381.89,7590.55 r90 bottom
T8 "BSS138LT1G" SOT95P240X110-3N 1850.39,4822.83 r0 bottom
T9 "BSS138LT1G" SOT95P240X110-3N 1539.37,7519.68 r90 bottom
TP1A "TP" TP 1145.67,1255.91 r0 top (schematic designator TP1)
TP1B "TP" TP 1003.74,1693.9 r90 top (schematic designator TP1)
TP2A "TP" TP 1173.23,996.06 r0 top (schematic designator TP2)
TP2B "TP" TP 1348.43,1616.14 r90 top (schematic designator TP2)
TP3 "TP" TP 799.21,5965.55 r0 top
TP4 "TP" TP 637.8,5823.82 r270 top
TP5A "TP" TP 1188.98,692.91 r0 top (schematic designator TP5)
TP5B "TP" TP 1340.55,1449.8 r90 top (schematic designator TP5)
TP6A "TP" TP 799.21,641.73 r0 top (schematic designator TP6)
TP6B "TP" TP 1046.26,1343.5 r90 top (schematic designator TP6)
TP7 "TP" TP 2507.87,7527.56 r90 top